# Altium PCB MiniPowerModule.Ver.A1.PcbDoc (continued)
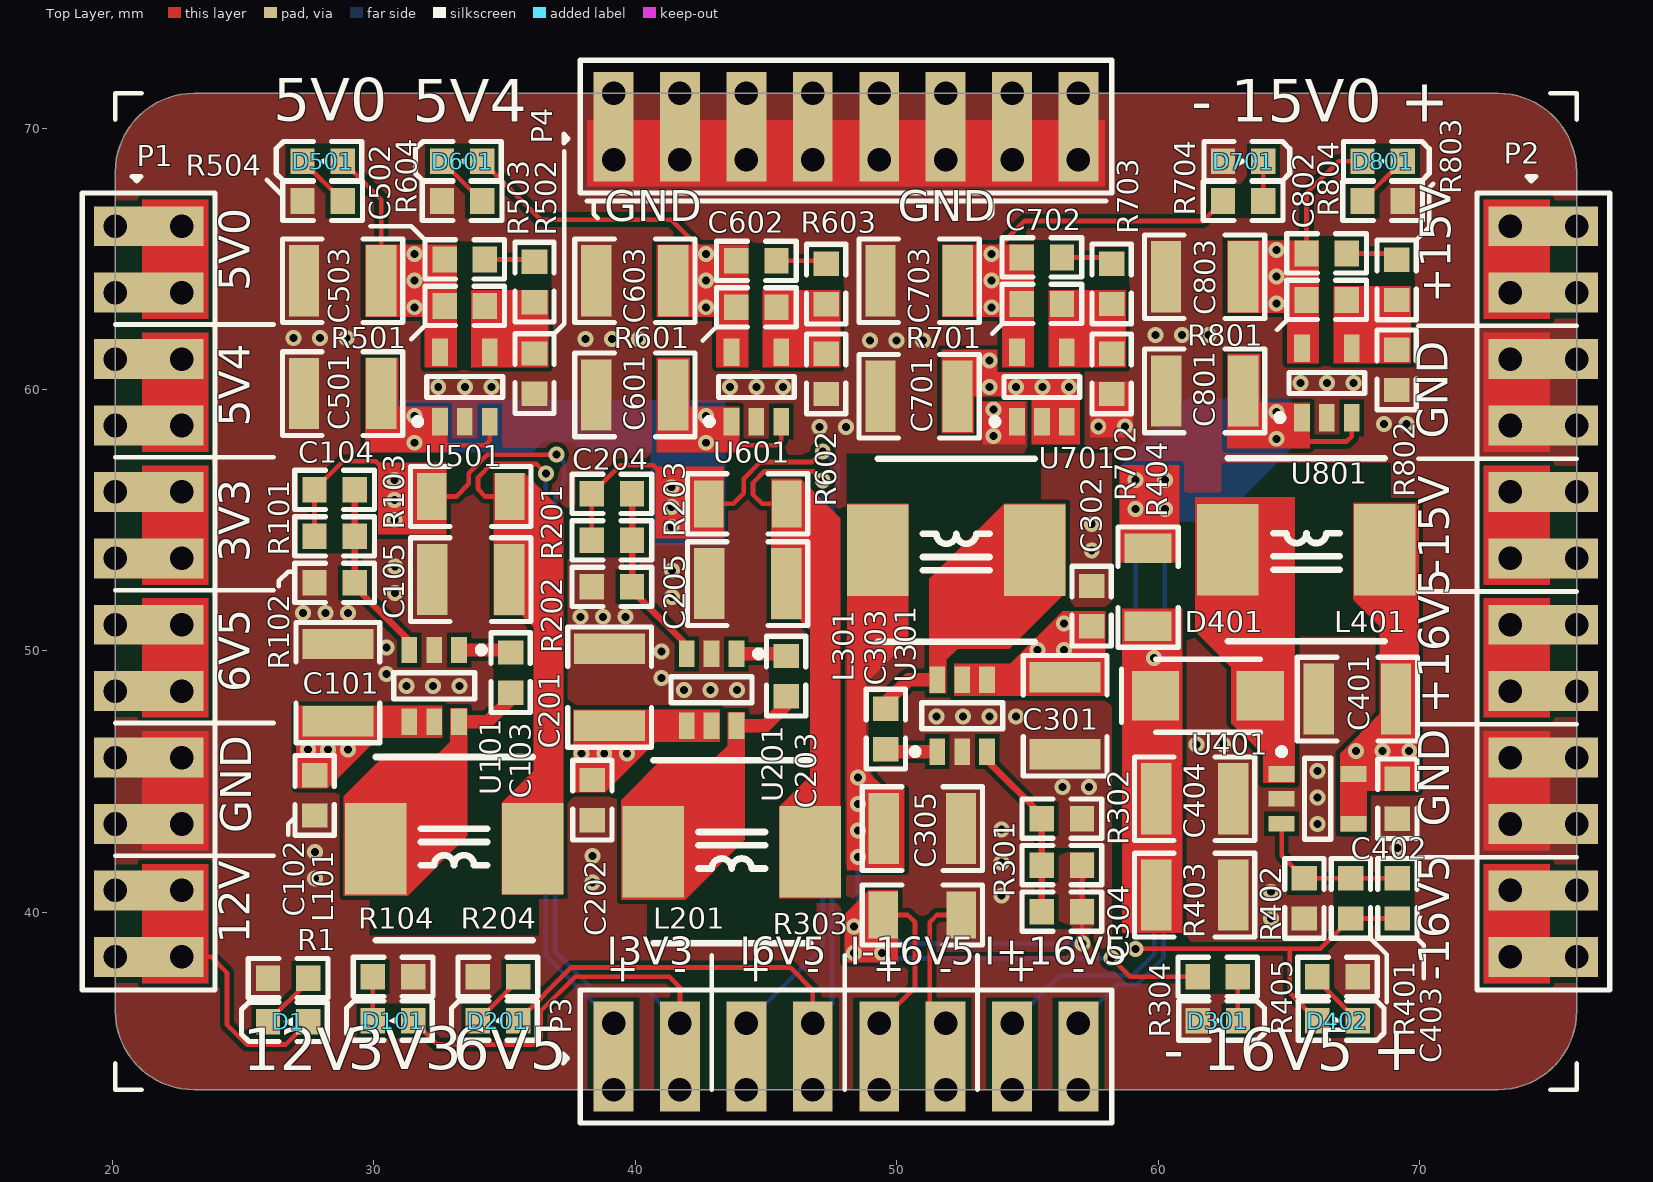
[diagram p0: Top Layer view]
## Footprints (in the part's own frame and the unit in brackets; to place one, negate y for a bottom-side part, rotate by r counter-clockwise, add the part's x,y. Pads: shape width x height; smd on the part's side, far side on the other; paste and mask are expansions set on the pad)
ADP7118-TSOT5 [mm] "SOT23, 5-Leads, Body 2.90x2.80mm, Pitch 0.95mm, IPC Medium Density"
  rect 1.05x0.6 smd: 1(-1.325,0.95) 2(-1.325,0) 3(-1.325,-0.95) 4(1.325,-0.95) 5(1.325,0.95)
  silkscreen extent -1.45,-1.45 0.4,1.92, body extent -1.4,-1.45 1.4,1.45, height 1
ADP7182-TSOT5 [mm] "SOT23, 5-Leads, Body 2.90x2.80mm, Pitch 0.95mm, IPC Medium Density"
  rect 1.05x0.6 smd: 1(-1.325,0.95) 2(-1.325,0) 3(-1.325,-0.95) 4(1.325,-0.95) 5(1.325,0.95)
  silkscreen extent -1.45,-1.45 0.4,1.92, body extent -1.4,-1.45 1.4,1.45, height 1
C0603 [mm] "Chip Capacitor, 2-Leads, Body 1.60x0.81mm, IPC Medium Density"
  rect 0.93x0.98 smd: 1(-0.77,0) 2(0.77,0)
  silkscreen extent -1.52,-0.75 1.52,0.75, body extent -0.8,-0.4 0.8,0.4, height 0.78
C1210 [mm] "Chip Capacitor, 2-Leads, Body 3.20x2.50mm, IPC Medium Density"
  rect 1.16x2.72 smd: 1(-1.475,0) 2(1.475,0)
  silkscreen extent -2.3,-1.6 2.3,1.6, body extent -1.6,-1.25 1.6,1.25, height 0.77
DIODE-SMAF [mm] "SMAF; 2 C-Bend Leads; Body 5.0 x 2.7 mm, inc. leads (LxW)"
  rect 1.8x1.9 smd: 1(2,0) 2(-2,0)
  silkscreen extent -3.3,-1.4 2,1.4, body extent -2.35,-1.25 2.35,1.25, height 1
HDR2X8 [mm] "Connector; Male Header; 8x2 Position"
  rect 1.5x1.5 hole 0.9: 1(0,0)
  round 1.5 hole 0.9: 2(2.54,0) 3(0,-2.54) 4(2.54,-2.54) 5(0,-5.08) 6(2.54,-5.08) 7(0,-7.62) 8(2.54,-7.62) 9(0,-10.16) 10(2.54,-10.16) 11(0,-12.7) 12(2.54,-12.7) 13(0,-15.24) 14(2.54,-15.24) 15(0,-17.78) 16(2.54,-17.78)
  silkscreen extent -1.27,-19.05 3.81,1.27, body extent -1.27,-19.05 3.81,1.27, height 9.5
HDR2X12 [mm] "Connector; Male Header; 12x2 Position"
  rect 1.5x1.5 hole 0.9: 1(0,0)
  round 1.5 hole 0.9: 2(2.54,0) 3(0,-2.54) 4(2.54,-2.54) 5(0,-5.08) 6(2.54,-5.08) 7(0,-7.62) 8(2.54,-7.62) 9(0,-10.16) 10(2.54,-10.16) 11(0,-12.7) 12(2.54,-12.7) 13(0,-15.24) 14(2.54,-15.24) 15(0,-17.78) 16(2.54,-17.78) 17(0,-20.32) 18(2.54,-20.32) 19(0,-22.86) 20(2.54,-22.86) 21(0,-25.4) 22(2.54,-25.4) 23(0,-27.94) 24(2.54,-27.94)
  silkscreen extent -1.27,-29.21 3.81,1.27, body extent -1.27,-29.21 3.81,1.27, height 9.5
L06063 [mm] "贴片功率电感 MHCI06030"
  rect 2.35x3.5 smd: 1(-3,0) 2(3,0)
  silkscreen extent -3,-3.5 3,3.5, body extent -3.28,-3.38 3.28,3.38, height 3
LED0603 [mm] "Chip LED, 2-Leads, Body 1.60x0.80mm, IPC Medium Density"
  rect 0.93x0.98 smd: 1(-0.77,0) 2(0.77,0)
  silkscreen extent -1.5,-0.75 1.78,0.75, body extent -0.8,-0.4 0.8,0.4, height 0.6
LMR62014-SOT23-5 [mm] "SOT23, 5-Leads, Body 2.90x2.80mm, Pitch 0.95mm, IPC Medium Density"
  rect 1x0.6 smd: 1(-1.375,0.95) 2(-1.375,0) 3(-1.375,-0.95) 4(1.375,-0.95) 5(1.375,0.95)
  silkscreen extent -1.5,-1.55 0.5,1.92, body extent -1.5,-1.53 1.5,1.53, height 1.45
R0603 [mm] "Chip Resistor, 2-Leads, Body 1.60x0.80mm, IPC Medium Density"
  rect 0.93x0.98 smd: 1(-0.77,0) 2(0.77,0)
  silkscreen extent -1.52,-0.75 1.52,0.75, body extent -0.8,-0.4 0.8,0.4, height 0.44
R1206 [mm] "Chip Resistor, 2-Leads, Body 3.20x1.60mm, IPC Medium Density"
  rect 1.13x1.8 smd: 1(-1.49,0) 2(1.49,0)
  silkscreen extent -2.3,-1.15 2.3,1.15, body extent -1.6,-0.8 1.6,0.8, height 0.6
R1210 [mm] "Chip Resistor, 2-Leads, Body 3.20x2.50mm, IPC Medium Density"
  rect 1.16x2.72 smd: 1(-1.475,0) 2(1.475,0)
  silkscreen extent -2.3,-1.6 2.3,1.6, body extent -1.6,-1.25 1.6,1.25, height 0.58
TPS560430-SOT23-6 [mm] "SOT23, 6-Leads, Body 2.90x2.80mm, Pitch 0.95mm, IPC Medium Density"
  rect 1x0.6 smd: 1(-1.375,0.95) 2(-1.375,0) 3(-1.375,-0.95) 4(1.375,-0.95) 5(1.375,0) 6(1.375,0.95)
  silkscreen extent -1.5,-1.55 0.5,1.93, body extent -1.53,-1.53 1.53,1.53, height 1.1

## Part data
D401: "通用二极管"
L101 L201 L301 L401: "Magnetic-Core Inductor"
P1 P2: "Header, 12-Pin, Dual row"
P3 P4: "Header, 8-Pin, Dual row"
R1 R101 R102 R103 R104 R201 R202 R203 R204 R301 R302 R303 R304 R401 R402 R403 R404 R405 R501 R502 R503 R504 R601 R602 R603 R604 R701 R702 R703 R704 R801 R802 R803 R804: "电阻"
U101 U201 U301: "TPS560430 SIMPLE SWITCHER? 4-V to 36-V, 600-mA Synchronous Step-Down Converter"
U401: "LMR62014 SIMPLE SWITCHER? 20Vout, 1.4A Step-Up Voltage Regulator in SOT-23"
U501 U601 U801: library part ADP7118AUJ, "20 V, 200 mA, Low Noise,CMOS LDO Linear Regulator."
U701: library part ADP7182AUJ, "–28 V, ?200 mA, Low Noise, Linear Regulator"

## Free pads (board coordinates)
  rect 4.191x1.524 smd: 2(21.387,38.303) 2(21.387,40.843) 2(21.387,43.383) 2(21.387,45.923) 2(21.387,48.463) 2(21.387,51.003) 2(21.387,53.543) 2(21.387,56.083) 2(21.387,58.623) 2(21.387,61.163) 2(21.387,63.703) 2(21.387,66.243) 2(74.727,38.303) 2(74.727,40.843) 2(74.727,43.383) 2(74.727,45.923) 2(74.727,48.463) 2(74.727,51.003) 2(74.727,53.543) 2(74.727,56.083) 2(74.727,58.623) 2(74.727,61.163) 2(74.727,63.703) 2(74.727,66.243)
  rect 4.191x1.524 smd far side: 2(21.387,38.303) 2(21.387,40.843) 2(21.387,43.383) 2(21.387,45.923) 2(21.387,48.463) 2(21.387,51.003) 2(21.387,53.543) 2(21.387,56.083) 2(21.387,58.623) 2(21.387,61.163) 2(21.387,63.703) 2(21.387,66.243) 2(74.727,38.303) 2(74.727,40.843) 2(74.727,43.383) 2(74.727,45.923) 2(74.727,48.463) 2(74.727,51.003) 2(74.727,53.543) 2(74.727,56.083) 2(74.727,58.623) 2(74.727,61.163) 2(74.727,63.703) 2(74.727,66.243)
  rect 1.524x4.191 smd: 2(39.167,34.493) 2(39.167,70.053) 2(41.707,34.493) 2(41.707,70.053) 2(44.247,34.493) 2(44.247,70.053) 2(46.787,34.493) 2(46.787,70.053) 2(49.327,34.493) 2(49.327,70.053) 2(51.867,34.493) 2(51.867,70.053) 2(54.407,34.493) 2(54.407,70.053) 2(56.947,34.493) 2(56.947,70.053)
  rect 1.524x4.191 smd far side: 2(39.167,34.493) 2(39.167,70.053) 2(41.707,34.493) 2(41.707,70.053) 2(44.247,34.493) 2(44.247,70.053) 2(46.787,34.493) 2(46.787,70.053) 2(49.327,34.493) 2(49.327,70.053) 2(51.867,34.493) 2(51.867,70.053) 2(54.407,34.493) 2(54.407,70.053) 2(56.947,34.493) 2(56.947,70.053)

## Via types
v1: diameter 0.61, hole 0.305, Top Layer to Bottom Layer, tented both sides, 132 vias

## Nets (pads, with @x,y where several pads share a name; then routed paths per layer and width w, separated by ;. In a path a pad name is that pad's centre, name@x,y a point inside that pad or via, vN(x,y) a via of type N, cw(c..) or ccw(c..) an arc to the next point about the centre after c; other vN are vias at no path point)
3V3_OUT: C104.1 D101.1 P1.9 P1.10 P1.11 P1.12 P3.3 P3.4 pad.2@21.387,53.543 pad.2@21.387,56.083 pad.2@41.707,34.493 R101.2 R103.2 | length 51.5
  Top Layer w0.178: R101.2 C104.1 28.821,57.252 30.074,57.252 v1(30.785,56.54) ; D101.1 32.418,34.95 36.119,34.95 36.373,35.204 36.373,36.218 37.696,37.541 41.3,37.541 41.707,37.135 P3.4 pad.2@41.707,34.493 ; R103.2 33.147,55.905 33.63,56.388 33.63,56.794 34.341,57.506 v1(36.982,57.506)
  Bottom Layer w0.178: v1(36.982,57.506) 37.287,57.201 37.287,56.439 36.932,56.083 36.932,38.501 38.45,36.982 40.488,36.982 P3.4
  other v1: 30.785,55.016 30.785,55.778
5V0_OUT: C502.1 C503.2 D501.1 P1.1 P1.2 P1.3 P1.4 pad.2@21.387,63.703 pad.2@21.387,66.243 R501.2 U501.5 | length 5.2
  Top Layer w0.178: D501.1 30.279,67.265 C503.2
  other v1: 31.547,63.144 31.547,64.16 31.547,65.176
5V4_OUT: C602.1 C603.2 D601.1 P1.5 P1.6 P1.7 P1.8 pad.2@21.387,58.623 pad.2@21.387,61.163 R601.2 U601.5 | length 10
  Top Layer w0.178: D601.1 36.381,66.497 41.377,66.497 v1(42.697,65.176)
  other v1: 42.697,63.144 42.697,64.16
6V5_OUT: C204.1 C501.2 C601.2 D201.1 P1.13 P1.14 P1.15 P1.16 P3.7 P3.8 pad.2@21.387,48.463 pad.2@21.387,51.003 pad.2@46.787,34.493 R201.2 R203.2 U501.1 U501.3 U601.1 U601.3 | length 55.7
  Top Layer w0.178: U501.1 32.527,57.998 32.664,57.861 34.239,57.861 34.427,58.049 U501.3 ; D201.1 37.549,37.897 45.923,37.897 46.787,37.033 P3.8 pad.2@46.787,34.493 ; R201.2 C204.1 39.428,57.103 40.681,57.103 v1@41.392,56.391 ; R203.2 43.739,55.626 44.145,56.032 44.145,56.586 44.785,57.226 46.761,57.226 v1(47.168,57.633) ; U601.1 43.678,57.998 43.815,57.861 45.39,57.861 45.578,58.049 U601.3
  Bottom Layer w0.178: P3.8 47.523,36.5 47.523,56.062 47.739,56.278 47.739,57.061 v1(47.168,57.633)
  other v1: 41.377,54.737 41.377,55.499 41.377,56.261 31.547,57.963 42.697,57.963 31.547,58.979 42.697,58.979
12V0_IN: C101.2 C102.2 C201.2 C202.2 C301.2 C302.2 C401.2 C402.2 D1.1 L401.1 P1.21 P1.22 P1.23 P1.24 pad.2@21.387,38.303 pad.2@21.387,40.843 U101.4 U101.5 U201.4 U201.5 U301.4 U301.5 U401.4 U401.5 | length 9
  Top Layer w0.178: pad.2@21.387,38.303 P1.24 23.774,38.303 24.384,37.694 24.384,35.712 25.146,34.95 26.627,34.95 D1.1
  other v1: 37.948,46.076 38.811,46.076 39.675,46.076 67.564,46.177 68.58,46.177 69.596,46.177 27.483,46.228 28.245,46.228 29.007,46.228 55.372,50.038 56.388,50.038 56.388,51.054
15V0_OUT: C802.1 C803.2 D801.1 P2.1 P2.2 P2.3 P2.4 pad.2@74.727,63.703 pad.2@74.727,66.243 R801.2 U801.5 | length 5
  Top Layer w0.178: C802.1 65.668,67.505 66.896,68.732 D801.1
  other v1: 64.516,63.297 64.516,64.313 64.516,65.329
16V5_OUT: C403.1 C801.2 D402.1 P2.13 P2.14 P2.15 P2.16 P3.15 P3.16 pad.2@56.947,34.493 pad.2@74.727,48.463 pad.2@74.727,51.003 R401.2 R404.2 U801.1 U801.3 | length 55.6
  Top Layer w0.178: v1(59.131,38.608) 65.024,38.608 ; U801.1 65.496,58.151 65.634,58.014 67.208,58.014 67.396,58.202 U801.3 ; D402.1 65.024,36.924 65.024,38.608 ; C403.1 R401.2 66.2,38.608 65.024,38.608
  Bottom Layer w0.178: P3.16 58.42,37.236 59.177,37.236 60.198,38.258 60.198,49.022 60.401,49.225 60.401,49.484 60.414,49.496 60.414,49.97 60.249,50.135 v1(60.249,55.423) ; v1(59.131,38.608) v1(59.131,55.423)
  other v1: 59.131,56.54 60.249,56.54 64.516,58.115 64.516,59.131
-15V0_OUT: C702.1 C703.2 P2.9 P2.10 P2.11 P2.12 pad.2@74.727,53.543 pad.2@74.727,56.083 R701.2 R704.1 U701.5 | length 9.7
  Top Layer w0.178: v1(53.627,65.176) 54.897,66.446 61.714,66.446 R704.1
  other v1: 53.627,63.144 53.627,64.16
-16V5_OUT: C701.2 P2.21 P2.22 P2.23 P2.24 P3.9 P3.10 pad.2@49.327,34.493 pad.2@74.727,38.303 pad.2@74.727,40.843 R303.1 R304.1 U701.2 U701.3 | length 20.8
  Top Layer w0.178: P3.9 49.327,34.493 P3.10 50.698,37.135 50.698,39.624 50.419,39.903 R303.1 ; v1(58.217,38.252) 58.928,37.541 R304.1
  Bottom Layer w0.178: v1(49.428,38.456) 49.644,38.24 58.204,38.24 v1(58.217,38.252)
  other v1: 48.362,38.456 48.362,39.472 53.543,60.096 54.559,60.096 55.575,60.096 56.591,60.096 53.543,61.112
GND: C101.1 C102.1 C105.1 C201.1 C202.1 C205.1 C304.1 C305.2 C401.1 C402.1 C404.1 C501.1 C503.1 C601.1 C603.1 C701.1 C703.1 C801.1 C803.1 D301.1 D701.1 L301.2 P1.17 P1.18 P1.19 P1.20 P2.5 P2.6 P2.7 P2.8 P2.17 P2.18 P2.19 P2.20 P4.1 P4.2 P4.3 P4.4 P4.5 P4.6 P4.7 P4.8 P4.9 P4.10 P4.11 P4.12 P4.13 P4.14 P4.15 P4.16 pad.2@21.387,43.383 pad.2@21.387,45.923 pad.2@39.167,70.053 pad.2@41.707,70.053 pad.2@44.247,70.053 pad.2@46.787,70.053 pad.2@49.327,70.053 pad.2@51.867,70.053 pad.2@54.407,70.053 pad.2@56.947,70.053 pad.2@74.727,43.383 pad.2@74.727,45.923 pad.2@74.727,58.623 pad.2@74.727,61.163 R1.1 R102.1 R104.1 R202.1 R204.1 R301.2 R402.1 R403.1 R405.1 R502.1 R504.1 R602.1 R604.1 R702.1 R802.1 R804.1 U101.2 U201.2 U401.2 U501.2 U601.2 U701.1 U801.2 | length 13.9
  Top Layer w0.178: R301.2 C304.1 57.082,38.829 v1(57.099,38.811)
  Bottom Layer w0.178: v1(48.514,42.113) 48.514,40.488 50.19,38.811 v1(57.099,38.811)
  other v1: 64.313,39.776 64.313,40.792 38.354,41.148 27.747,41.297 38.354,42.164 27.747,42.313 69.139,42.469 48.514,43.129 66.091,43.383 48.514,44.145 66.091,44.399 48.514,45.161 66.091,45.415 61.468,46.431 62.484,46.431 41.859,48.514 42.875,48.514 43.891,48.514 31.252,48.663 32.268,48.663 33.284,48.663 40.996,48.971 30.48,49.124 40.996,49.987 30.48,50.14 37.897,51.308 38.76,51.308 39.624,51.308 27.29,51.457 28.153,51.457 29.017,51.457 41.402,52.07 30.81,52.222 41.402,53.086 30.81,53.238 53.696,58.217 47.041,58.572 48.057,58.572 57.705,58.583 58.721,58.583 68.631,58.674 69.494,58.674 53.696,59.233 32.463,60.096 33.479,60.096 34.495,60.096 43.614,60.096 44.63,60.096 45.646,60.096 65.432,60.249 66.448,60.249 67.464,60.249 48.969,61.874 49.985,61.874 51.001,61.874 38.1,61.925 39.116,61.925 40.132,61.925 26.924,61.976 27.94,61.976 28.956,61.976 59.893,62.078 60.909,62.078 61.925,62.078
I_3V3+: C105.2 L101.2 P3.1 P3.2 pad.2@39.167,34.493 R103.1 | length 27.1
  Top Layer w0.178: R103.1@35.196,56.193 R103.1 34.265,55.905 33.985,56.185 33.985,56.647 34.488,57.15 36.22,57.15 v1(36.576,56.794)
  Bottom Layer w0.178: v1(36.576,56.794) 36.576,38.354 P3.2
I_6V5+: C205.2 L201.2 P3.5 P3.6 pad.2@44.247,34.493 R203.1 | length 27.1
  Top Layer w0.178: R203.1 44.856,55.626 44.501,55.982 44.501,56.439 44.933,56.871 46.812,56.871 v1(47.168,56.515) ; R203.1@45.803,55.756 R203.1@45.803,56.044
  Bottom Layer w0.178: P3.6 47.168,38.684 v1(47.168,56.515)
I_16V5+: C404.2 D401.2 P3.13 P3.14 pad.2@54.407,34.493 R403.2 R404.1 | length 17.9
  Bottom Layer w0.178: P3.14 56.236,37.592 59.03,37.592 59.842,38.405 v1(59.842,49.733)
I_-16V5-: C301.1 C302.1 C305.1 P3.11 P3.12 pad.2@51.867,34.493 R302.1 R303.2 U301.2 | length 8
  Top Layer w0.178: P3.11 51.867,34.493 P3.12 51.257,36.373 51.257,39.624 51.537,39.903 R303.2
  other v1: 54,40.64 54,41.91 54,43.18 56.337,44.806 57.353,44.806 51.511,47.498 52.527,47.498 53.543,47.498 54.559,47.498 57.455,53.848 57.455,54.864
NetC103_1: C103.1 L101.1 U101.6 | length 2.6
  Top Layer w0.254: C103.1@35.23,48.158 C103.1
  Top Layer w0.508: U101.6 34.363,47.291 C103.1@35.23,48.158
NetC103_2: C103.2 U101.1 | length 2
  Top Layer w0.254: C103.2@35.133,50.041 C103.2
  Top Layer w0.508: U101.1 C103.2@35.133,50.041
NetC104_2: C104.2 R101.1 R102.2 U101.3 | length 7
  Top Layer w0.254: C104.2 R102.2 29.269,52.468 31.359,50.378 U101.3
NetC203_1: C203.1 L201.1 U201.6 | length 2.6
  Top Layer w0.254: C203.1@45.837,48.009 C203.1@45.837,48.255
  Top Layer w0.508: U201.6 44.97,47.142 C203.1@45.837,48.009
NetC203_2: C203.2 U201.1 | length 2
  Top Layer w0.254: C203.2@45.74,49.892 C203.2@45.837,49.795
  Top Layer w0.508: U201.1 C203.2@45.74,49.892
NetC204_2: C204.2 R201.1 R202.2 U201.3 | length 7
  Top Layer w0.254: C204.2 39.876,52.319 41.966,50.229 U201.3
NetC303_1: C303.1 L301.1 U301.6 | length 2.6
  Top Layer w0.254: C303.1 C303.1@49.581,48.031
  Top Layer w0.508: C303.1@49.581,48.031 50.448,48.898 U301.6
NetC303_2: C303.2 U301.1 | length 2
  Top Layer w0.254: C303.2 C303.2@49.678,46.148
  Top Layer w0.508: C303.2@49.678,46.148 U301.1
NetC304_2: C304.2 R301.1 R302.2 U301.3 | length 7
  Top Layer w0.254: U301.3 53.452,45.811 55.542,43.721 R302.2 R301.1 C304.2
NetC403_2: C403.2 R401.1 R402.2 U401.3 | length 6
  Top Layer w0.178: U401.3 64.716,42.175 R402.2 C403.2
NetC502_2: C502.2 R503.1 | length 1.9
  Top Layer w0.178: C502.2 36.051,64.973 R503.1
NetC602_2: C602.2 R603.1 | length 1.9
  Top Layer w0.178: C602.2 47.176,64.922 R603.1
NetC702_2: C702.2 R703.1 | length 2
  Top Layer w0.178: C702.2 57.979,65.049 R703.1
NetC802_2: C802.2 R803.1 | length 2
  Top Layer w0.178: C802.2 68.875,65.202 R803.1
NetD1_2: D1.2 R1.2 | length 2.3
  Top Layer w0.178: D1.2 27.491,37.354 R1.2
NetD101_2: D101.2 R104.2 | length 1.7
  Top Layer w0.178: D101.2 R104.2
NetD201_2: D201.2 R204.2 | length 2.3
  Top Layer w0.178: D201.2 35.517,37.405 R204.2
NetD301_2: D301.2 R304.2 | length 1.7
  Top Layer w0.178: R304.2 63.043,35.873 D301.2
NetD401_1: D401.1 L401.2 U401.1
NetD402_2: D402.2 R405.2 | length 2.3
  Top Layer w0.178: R405.2 66.083,37.405 D402.2
NetD501_2: D501.2 R504.2 | length 2.2
  Top Layer w0.178: D501.2 27.288,68.732 R504.2
NetD601_2: D601.2 R604.2 | length 2.2
  Top Layer w0.178: D601.2 34.13,67.208 R604.2
NetD701_2: D701.2 R704.2 | length 1.5
  Top Layer w0.178: R704.2 D701.2
NetD801_2: D801.2 R804.2 | length 2.2
  Top Layer w0.178: R804.2 69.334,68.732 D801.2
NetR501_1: R501.1 R502.2 R503.2 U501.4
NetR601_1: R601.1 R602.2 R603.2 U601.4
NetR701_1: R701.1 R702.2 R703.2 U701.4
NetR801_1: R801.1 R802.2 R803.2 U801.4

## Polygon pours and split planes (outlines as drawn)
GND on Top Layer "GND_L01_P023" (solid, remove dead copper, pour order 23): 20.117,36.223 20.117,68.323 cw(c23.117,68.323) 23.117,71.323 72.997,71.323 cw(c72.997,68.323) 75.997,68.323 75.997,36.223 cw(c72.997,36.223) 72.997,33.223 23.117,33.223 cw(c23.117,36.223)
GND on Top Layer "GND_L01_P010" (solid, remove dead copper, pour order 10): 58.522,38.506 58.522,57.556 69.952,57.556 69.952,38.506
I_-16V5- on Top Layer "I_-16V5-_L01_P004" (solid, remove dead copper, pour order 4): 48.057,38.506 48.057,57.556 58.217,57.556 58.217,38.506
GND on Top Layer "GND_L01_P020" (solid, remove dead copper, pour order 20): 26.568,58.264 26.568,65.837 69.901,65.837 69.901,58.213
GND on Top Layer "GND_L01_P014" (solid, remove dead copper, pour order 14): 26.568,38.964 26.568,57.048 47.854,57.048 47.854,38.964
GND on Bottom Layer "GND_L04_P025" (solid, remove dead copper, pour order 25): 20.117,36.223 20.117,68.323 cw(c23.117,68.323) 23.117,71.323 72.997,71.323 cw(c72.997,68.323) 75.997,68.323 75.997,36.223 cw(c72.997,36.223) 72.997,33.223 23.117,33.223 cw(c23.117,36.223)
GND on Bottom Layer "GND_L04_P012" (solid, remove dead copper, pour order 12): 58.522,38.506 58.522,57.556 69.952,57.556 69.952,38.506
I_-16V5- on Bottom Layer "I_-16V5-_L04_P006" (solid, remove dead copper, pour order 6): 48.057,38.506 48.057,57.556 58.217,57.556 58.217,38.506
GND on Bottom Layer "GND_L04_P018" (solid, remove dead copper, pour order 18): 26.568,38.964 26.568,57.048 47.854,57.048 47.854,38.964
GND on Bottom Layer "GND_L04_P016" (solid, remove dead copper, pour order 16): 26.568,38.964 26.568,57.048 47.854,57.048 47.854,38.964
GND on Bottom Layer "GND_L04_P022" (solid, remove dead copper, pour order 22): 26.568,58.264 26.568,65.837 69.901,65.837 69.901,58.213
GND on Ground Plane (split plane): 73.193,70.313 73.387,70.285 73.577,70.237 73.762,70.171 73.94,70.087 74.108,69.986 74.266,69.869 74.411,69.737 74.543,69.592 74.66,69.434 74.761,69.266 74.844,69.089 74.911,68.904 74.958,68.713 74.987,68.519 74.996,68.341 74.995,68.323 74.995,36.223 74.996,36.206 74.987,36.027 74.958,35.833 74.911,35.643 74.844,35.458 74.761,35.28 74.66,35.112 74.543,34.954 74.411,34.809 74.266,34.677 74.108,34.56 73.94,34.459 73.762,34.376 73.577,34.309 73.387,34.262 73.193,34.233 73.014,34.224 72.997,34.225 23.117,34.225 23.099,34.224 22.921,34.233 22.727,34.262 22.536,34.309 22.351,34.376 22.174,34.459 22.006,34.56 21.848,34.677 21.703,34.809 21.571,34.954 21.454,35.112 21.353,35.28 21.269,35.458 21.203,35.643 21.155,35.833 21.127,36.027 21.118,36.206 21.119,36.223 21.119,68.323 21.118,68.341 21.127,68.519 21.155,68.713 21.203,68.904 21.269,69.089 21.353,69.266 21.454,69.434 21.571,69.592 21.703,69.737 21.848,69.869 22.006,69.986 22.174,70.087 22.351,70.171 22.536,70.237 22.727,70.285 22.921,70.313 23.099,70.322 23.117,70.321 72.997,70.321 73.014,70.322
15V0_OUT on Power Plane (split plane): 73.193,70.313 73.387,70.285 73.577,70.237 73.762,70.171 73.94,70.087 74.108,69.986 74.266,69.869 74.411,69.737 74.543,69.592 74.66,69.434 74.761,69.266 74.844,69.089 74.911,68.904 74.958,68.713 74.987,68.519 74.996,68.341 74.995,68.323 74.995,62.625 64.189,62.625 60.492,66.323 60.492,70.321 72.997,70.321 73.014,70.322
-15V0_OUT on Power Plane (split plane): 60.107,66.243 60.114,66.193 60.125,66.166 60.133,66.147 60.164,66.107 63.974,62.297 64.014,62.267 64.06,62.248 64.11,62.241 74.995,62.241 74.995,52.465 72.317,52.465 66.836,57.946 66.796,57.977 66.777,57.985 66.75,57.996 66.7,58.003 57.799,58.003 57.799,61.417 57.793,61.467 57.774,61.513 57.743,61.553 57.703,61.584 57.657,61.603 57.607,61.609 48.249,61.609 48.249,70.321 60.107,70.321
5V4_OUT on Power Plane (split plane): 47.865,62.128 47.865,61.497 43.964,57.596 21.119,57.596 21.119,62.292 36.22,62.292 36.27,62.298 36.316,62.318 36.356,62.348 36.387,62.388 36.406,62.434 36.413,62.484 36.413,70.321 47.865,70.321
-16V5_OUT on Power Plane (split plane): 57.415,54.458 57.422,54.408 57.441,54.362 57.471,54.322 57.511,54.291 57.557,54.272 57.607,54.265 61.073,54.265 61.073,53.035 61.079,52.985 61.098,52.939 61.129,52.899 61.169,52.869 61.215,52.85 61.265,52.843 66.926,52.843 72.711,47.057 72.751,47.027 72.797,47.008 72.847,47.001 74.995,47.001 74.995,37.225 47.284,37.225 47.284,41.159 61.976,41.159 62.026,41.166 62.053,41.177 62.072,41.185 62.112,41.215 66.17,45.274 70.256,45.274 70.306,45.28 70.352,45.3 70.392,45.33 70.423,45.37 70.442,45.416 70.449,45.466 70.449,46.99 70.442,47.04 70.423,47.086 70.392,47.126 70.352,47.156 70.306,47.176 70.256,47.182 57.444,47.182 57.444,51.816 57.437,51.866 57.418,51.912 57.387,51.952 57.348,51.982 57.301,52.002 57.252,52.008 44.236,52.008 44.236,57.324 48.136,61.225 57.415,61.225
16V5_OUT on Power Plane (split plane): 72.102,52.137 72.142,52.107 72.161,52.099 72.188,52.088 72.238,52.081 74.995,52.081 74.995,47.385 72.927,47.385 67.141,53.171 67.101,53.202 67.082,53.21 67.055,53.221 67.005,53.227 61.457,53.227 61.457,54.458 61.45,54.507 61.431,54.554 61.401,54.593 61.361,54.624 61.315,54.643 61.265,54.65 57.799,54.65 57.799,57.618 66.621,57.618
5V0_OUT on Power Plane (split plane): 23.117,70.321 36.028,70.321 36.028,62.676 21.119,62.676 21.119,68.323 21.118,68.341 21.127,68.519 21.155,68.713 21.203,68.904 21.269,69.089 21.353,69.266 21.454,69.434 21.571,69.592 21.703,69.737 21.848,69.869 22.006,69.986 22.174,70.087 22.351,70.171 22.536,70.237 22.727,70.285 22.921,70.313 23.099,70.322
6V5_OUT on Power Plane (split plane): 43.851,51.816 43.851,51.054 43.851,47.436 21.119,47.436 21.119,52.132 34.646,52.132 34.695,52.138 34.742,52.158 34.781,52.188 34.812,52.228 34.831,52.274 34.838,52.324 34.838,57.212 43.851,57.212
3V3_OUT on Power Plane (split plane): 34.453,52.516 21.119,52.516 21.119,57.212 34.453,57.212
GND on Power Plane (split plane): 74.995,36.223 74.996,36.206 74.987,36.027 74.958,35.833 74.911,35.643 74.844,35.458 74.761,35.28 74.66,35.112 74.543,34.954 74.411,34.809 74.266,34.677 74.108,34.56 73.94,34.459 73.762,34.376 73.577,34.309 73.387,34.262 73.193,34.233 73.014,34.224 72.997,34.225 23.117,34.225 23.099,34.224 22.921,34.233 22.727,34.262 22.536,34.309 22.351,34.376 22.174,34.459 22.006,34.56 21.848,34.677 21.703,34.809 21.571,34.954 21.454,35.112 21.353,35.28 21.269,35.458 21.203,35.643 21.155,35.833 21.127,36.027 21.118,36.206 21.119,36.223 21.119,36.841 74.995,36.841
12V0_IN on Power Plane (split plane): 57.059,46.99 57.066,46.94 57.085,46.894 57.116,46.854 57.156,46.824 57.202,46.804 57.252,46.798 70.064,46.798 70.064,45.658 66.091,45.658 66.041,45.652 66.014,45.64 65.995,45.632 65.955,45.602 61.896,41.543 47.092,41.543 47.042,41.537 46.996,41.518 46.956,41.487 46.925,41.447 46.906,41.401 46.899,41.351 46.899,37.225 21.119,37.225 21.119,47.052 44.044,47.052 44.093,47.058 44.14,47.078 44.179,47.108 44.21,47.148 44.229,47.194 44.236,47.244 44.236,51.624 57.059,51.624

## Other copper
Top Layer:
  region net GND: 38.151,70.307 38.151,67.767 57.963,67.767 57.963,70.307
  region net -16V5_OUT: 74.981,41.859 72.441,41.859 72.441,37.287 74.981,37.287
  region net GND: 74.981,46.939 72.441,46.939 72.441,42.367 74.981,42.367
  region net 16V5_OUT: 74.981,52.019 72.441,52.019 72.441,47.447 74.981,47.447
  region net -15V0_OUT: 74.981,57.099 72.441,57.099 72.441,52.527 74.981,52.527
  region net GND: 74.981,62.179 72.441,62.179 72.441,57.607 74.981,57.607
  region net 15V0_OUT: 74.981,67.259 72.441,67.259 72.441,62.687 74.981,62.687
  rectangle net 12V0_IN: 21.133,37.287 23.673,41.859
  rectangle net GND: 21.133,42.367 23.673,46.939
  rectangle net 6V5_OUT: 21.133,47.447 23.673,52.019
  rectangle net 3V3_OUT: 21.133,52.527 23.673,57.099
  rectangle net 5V4_OUT: 21.133,57.607 23.673,62.179
  rectangle net 5V0_OUT: 21.133,62.687 23.673,67.259
  region net GND: 59.025,58.176 57.4,58.176 57.4,59.192 57.4,60.3 59.025,60.3
  region net -16V5_OUT: 51.714,58.318 52.934,58.318 52.934,59.741 55.169,59.741 55.169,57.912 56.998,57.912 56.998,60.655 53.848,60.655 53.848,61.519 51.714,61.519
  region net -15V0_OUT: 55.245,60.858 55.245,65.532 51.74,65.532 51.74,62.789 54.026,62.789 54.026,60.858
  region net NetR701_1: 55.812,60.858 55.812,63.805 58.758,63.805 58.758,60.858
  region net GND: 53.289,57.912 53.289,59.538 54.305,59.538 54.915,59.538 54.915,57.912
  region net 15V0_OUT: 66.142,61.011 66.142,65.684 62.636,65.684 62.636,62.941 64.922,62.941 64.922,61.011
  region net 16V5_OUT: 62.636,57.76 62.636,61.366 63.906,61.366 63.906,59.487 65.786,59.487 65.786,57.76
  region net 6V5_OUT: 40.818,57.607 40.818,61.214 42.088,61.214 42.088,59.334 43.967,59.334 43.967,57.607
  region net 5V4_OUT: 44.323,60.858 44.323,65.532 40.818,65.532 40.818,62.789 43.104,62.789 43.104,60.858
  region net NetR801_1: 66.7,61.011 66.7,63.957 69.647,63.957 69.647,61.011
  region net NetR601_1: 44.882,60.858 44.882,63.805 47.828,63.805 47.828,60.858
  region net NetR501_1: 33.731,60.858 33.731,63.805 36.678,63.805 36.678,60.858
  region net 5V0_OUT: 33.172,60.858 33.172,65.532 29.667,65.532 29.667,62.789 31.953,62.789 31.953,60.858
  region net 6V5_OUT: 29.667,57.607 29.667,61.214 30.937,61.214 30.937,59.334 32.817,59.334 32.817,57.607
  region net 16V5_OUT: 60.808,53.399 60.808,57.099 58.522,57.099 58.522,53.399
  region net I_16V5+: 58.623,39.218 58.623,51.613 60.909,51.613 60.909,39.218
  region net NetD401_1: 65.227,44.958 65.227,55.88 61.417,55.88 61.417,50.749 62.789,49.378 62.789,47.244 64.008,46.025 64.008,44.958
  region net 12V0_IN: 66.954,43.078 66.954,46.076 68.478,47.6 68.478,50.952 67.462,51.968 67.462,55.677 69.952,55.677 69.952,44.653 67.97,44.653 67.97,43.078
  region net -16V5_OUT: 48.006,38.1 48.006,39.929 48.92,40.843 50.038,40.843 50.038,38.1
  region net GND: 48.108,55.626 48.108,41.605 50.292,41.605 50.292,44.704 49.581,44.704 48.819,45.466 48.819,48.768 50.444,50.394 50.444,55.626
  region net NetC303_1: 56.439,55.626 56.439,52.222 54.305,50.089 52.324,50.089 51.892,49.657 51.892,48.387 51.232,48.387 51.232,52.756 54.102,55.626
  region net 12V0_IN: 57.963,51.511 57.963,48.285 52.197,48.285 52.197,49.505 54.331,49.505 56.337,51.511
  region net 12V0_IN: 37.633,44.606 37.633,47.755 43.221,47.755 43.221,46.536 40.782,46.536 38.852,44.606
  region net NetC203_1: 39.461,40.491 39.461,44.301 41.087,45.927 43.068,45.927 43.525,46.384 43.525,47.654 44.186,47.654 44.186,42.777 41.9,40.491
  region net I_6V5+: 45.202,56.591 45.202,51.21 46.269,51.21 46.685,50.793 46.685,45.226 45.507,44.047 45.507,40.542 47.843,40.542 47.843,55.077 46.33,56.591
  region net 6V5_OUT: 43.373,57.052 40.782,57.052 40.782,54.309 43.373,54.309
  pour cut-out: 68.913,57.2 62.411,57.2 62.411,50.546 68.913,50.546
  pour cut-out: 55.524,57.556 48.057,57.556 48.057,50.495 55.524,50.495
  pour cut-out: 40.437,38.964 46.939,38.964 46.939,45.618 40.437,45.618
  pour cut-out: 29.82,39.116 36.322,39.116 36.322,45.771 29.82,45.771
  region net 3V3_OUT: 32.766,57.201 30.175,57.201 30.175,54.458 32.766,54.458
  region net I_3V3+: 34.595,56.794 34.595,51.359 35.662,51.359 36.119,50.902 36.119,45.415 34.9,44.196 34.9,40.691 37.236,40.691 37.236,55.321 35.763,56.794
  region net NetC103_1: 28.854,40.64 28.854,44.45 30.48,46.076 32.461,46.076 32.918,46.533 32.918,47.803 33.579,47.803 33.579,42.926 31.293,40.64
  region net 12V0_IN: 27.026,44.755 27.026,47.904 32.614,47.904 32.614,46.685 30.175,46.685 28.245,44.755
Bottom Layer:
  region net GND: 38.151,70.307 38.151,67.767 57.963,67.767 57.963,70.307
  region net -16V5_OUT: 74.981,41.859 72.441,41.859 72.441,37.287 74.981,37.287
  region net GND: 74.981,46.939 72.441,46.939 72.441,42.367 74.981,42.367
  region net 16V5_OUT: 74.981,52.019 72.441,52.019 72.441,47.447 74.981,47.447
  region net -15V0_OUT: 74.981,57.099 72.441,57.099 72.441,52.527 74.981,52.527
  region net GND: 74.981,62.179 72.441,62.179 72.441,57.607 74.981,57.607
  region net 15V0_OUT: 74.981,67.259 72.441,67.259 72.441,62.687 74.981,62.687
  rectangle net 12V0_IN: 21.133,37.287 23.673,41.859
  rectangle net GND: 21.133,42.367 23.673,46.939
  rectangle net 6V5_OUT: 21.133,47.447 23.673,52.019
  rectangle net 3V3_OUT: 21.133,52.527 23.673,57.099
  rectangle net 5V4_OUT: 21.133,57.607 23.673,62.179
  rectangle net 5V0_OUT: 21.133,62.687 23.673,67.259
  region net 16V5_OUT: 58.522,57.048 61.112,59.639 65.075,59.639 65.075,57.709 62.332,54.966 58.522,54.966
  region net 6V5_OUT: 30.886,57.607 36.068,57.607 36.474,58.014 37.592,58.014 37.998,57.607 40.589,57.607 40.589,54.051 43.434,54.051 43.434,59.588 30.886,59.588
Ground Plane (plane layer: these items are gaps in the copper):
  pour cut-out: 59.131,56.54 60.249,56.54 60.249,55.423 59.131,55.423
Power Plane (plane layer: these items are gaps in the copper):
  lines w0.381: 20.117,37.033 47.092,37.033 ; 20.117,47.244 44.044,47.244 44.044,57.404 ; 20.117,52.324 34.646,52.324 34.646,57.404 ; 20.117,57.404 44.044,57.404 ; 20.117,62.484 36.22,62.484 36.22,71.323 ; 44.044,51.054 44.044,51.816 57.252,51.816 57.252,46.99 70.256,46.99 70.256,45.466 66.091,45.466 61.976,41.351 47.092,41.351 47.092,37.033 ; 48.057,62.128 48.057,61.417 ; 48.057,71.323 48.057,61.417 ; 57.607,57.81 66.7,57.81 72.238,52.273 75.997,52.273 ; 60.3,71.323 60.3,66.243 64.11,62.433 75.997,62.433 ; 75.997,37.033 47.092,37.033 ; 75.997,47.193 72.847,47.193 67.005,53.035 61.265,53.035 61.265,54.458 57.607,54.458 57.607,61.417 48.057,61.417 ; 44.044,57.404 48.057,61.417

## Silkscreen, mask and mechanical layers (free items; w line width, h text height)
Top Overlay:
  lines w0.178: 20.117,34.223 20.117,33.223 21.117,33.223 ; 20.117,42.164 26.162,42.164 ; 20.117,47.244 26.162,47.244 ; 20.117,52.324 26.162,52.324 ; 20.117,57.404 26.162,57.404 ; 20.117,62.484 26.162,62.484 ; 20.117,70.323 20.117,71.323 21.117,71.323 ; 25.908,68.021 26.467,67.462 ; 26.365,52.476 26.365,52.68 26.721,53.035 26.924,53.035 ; 26.721,42.977 26.721,43.383 26.987,43.649 ; 29.87,66.243 31.433,66.243 31.953,65.723 ; 31.433,61.925 31.953,62.445 ; 36.894,62.128 37.287,62.521 37.287,69.113 ; 38.151,67.208 58.014,67.208 ; 38.405,67.208 38.405,66.7 38.557,66.548 ; 42.584,61.874 43.104,62.394 ; 42.926,33.223 42.926,38.354 ; 48.006,33.223 48.006,38.354 ; 53.086,33.223 53.086,38.354 ; 53.492,66.548 53.645,66.7 53.645,67.208 ; 53.645,62.128 54.026,62.509 54.026,62.521 ; 64.541,62.281 64.914,62.654 64.914,62.674 ; 68.111,39.014 68.732,38.393 68.732,36.576 ; 69.863,65.718 70.358,66.212 70.358,67.716 70.51,67.869 ; 69.889,39.014 70.155,38.748 70.155,37.49 ; 69.952,42.113 75.997,42.113 ; 69.952,47.193 75.997,47.193 ; 69.952,52.273 75.997,52.273 ; 69.952,57.353 75.997,57.353 ; 69.952,62.433 75.997,62.433 ; 74.997,33.223 75.997,33.223 75.997,34.223 ; 74.997,71.323 75.997,71.323 75.997,70.323 ; 20.752,68.148 21.107,68.148 20.93,67.97 20.752,68.148 ; 37.236,34.239 37.236,34.595 37.414,34.417 37.236,34.239 ; 37.262,69.418 37.44,69.596 37.262,69.774 37.262,69.418 ; 74.092,68.148 74.27,67.97 74.447,68.148 74.092,68.148
  text "5V0" at 26.162,69.748 h2.79
  text "5V4" at 31.496,69.698 h2.79
  text "- 15V0 +" at 61.265,69.698 h2.79
  text "GND" at 38.811,66.04 h2.03
  text "GND" at 50.038,66.04 h2.03
  text "5V0" at 25.654,63.754 h2.03 r90
  text "+15V" at 71.577,63.297 h2.03 r90
  text "5V4" at 25.654,58.572 h2.03 r90
  text "GND" at 71.476,58.115 h2.03 r90
  text "3V3" at 25.654,53.391 h2.03 r90
  text "-15V" at 71.526,52.934 h2.03 r90
  text "6V5" at 25.654,48.412 h2.03 r90
  text "+16V5" at 71.526,47.6 h2.03 r90
  text "GND" at 71.526,43.282 h2.03 r90
  text "GND" at 25.705,43.028 h2.03 r90
  text "12V" at 25.654,38.811 h2.03 r90
  text "I3V3" at 38.913,37.643 h1.83
  text "I6V5" at 43.993,37.643 h1.83
  text "I-16V5" at 48.209,37.643 h1.83
  text "I+16V5" at 53.34,37.643 h1.83
  text "-16V5" at 71.526,37.389 h2.03 r90
  text "-" at 41.453,37.033 h1.83
  text "-" at 46.533,37.033 h1.83
  text "-" at 51.613,37.033 h1.83
  text "-" at 56.693,37.033 h1.83
  text "+" at 38.913,36.982 h1.83
  text "+" at 43.993,36.982 h1.83
  text "+" at 49.073,36.982 h1.83
  text "+" at 54.153,36.982 h1.83
  text "3V3" at 29.007,33.477 h2.79
  text "6V5" at 33.02,33.477 h2.79
  text "12V" at 24.994,33.426 h2.79
  text "- 16V5 +" at 60.198,33.426 h2.79
Bottom Overlay:
  lines w0.178: 20.117,42.164 26.162,42.164 ; 20.117,47.244 26.162,47.244 ; 20.117,52.324 26.162,52.324 ; 20.117,57.404 26.162,57.404 ; 20.117,62.484 26.162,62.484 ; 38.151,67.208 58.014,67.208 ; 42.926,33.223 42.926,38.354 ; 48.006,33.223 48.006,38.354 ; 53.086,33.223 53.086,38.354 ; 69.952,42.113 75.997,42.113 ; 69.952,47.193 75.997,47.193 ; 69.952,52.273 75.997,52.273 ; 69.952,57.353 75.997,57.353 ; 69.952,62.433 75.997,62.433
  text "+15V" at 71.272,66.853 h2.03 r90
  text "5V0" at 25.756,66.548 h2.03 r90
  text "GND" at 49.327,65.583 h2.03
  text "GND" at 71.272,61.671 h2.03 r90
  text "5V4" at 25.756,61.366 h2.03 r90
  text "-15V" at 71.272,56.49 h2.03 r90
  text "3V3" at 25.756,56.185 h2.03 r90
  text "Mini Power Module Ver.A" at 60.3,56.083 h2.79
  text "2024.2.27" at 45.568,52.73 h2.79
  text "Carrot" at 60.147,52.73 h2.79
  text "+16V5" at 71.272,51.968 h2.03 r90
  text "6V5" at 25.756,51.206 h2.03 r90
  text "GND" at 25.756,46.177 h2.03 r90
  text "GND" at 71.272,46.177 h2.03 r90
  text "-16V5" at 71.272,41.605 h2.03 r90
  text "12V" at 25.756,40.742 h2.03 r90
  text "I3V3" at 42.062,38.456 h1.83
  text "I6V5" at 47.142,38.456 h1.83
  text "I-16V5" at 52.984,38.456 h1.83
  text "I+16V5" at 58.064,38.456 h1.83
  text "+" at 38.913,37.287 h1.83
  text "-" at 41.453,37.287 h1.83
  text "+" at 43.993,37.287 h1.83
  text "-" at 46.533,37.287 h1.83
  text "+" at 49.073,37.287 h1.83
  text "-" at 51.613,37.287 h1.83
  text "+" at 54.153,37.287 h1.83
  text "-" at 56.693,37.287 h1.83
Mechanical 1:
  the board outline again, w0.254